# Allegro board RK3588S_Template_LP4XD200P232SD10H2_30X30_2133MHz_H1R6_V11_20220218YWQ.brd (continued)
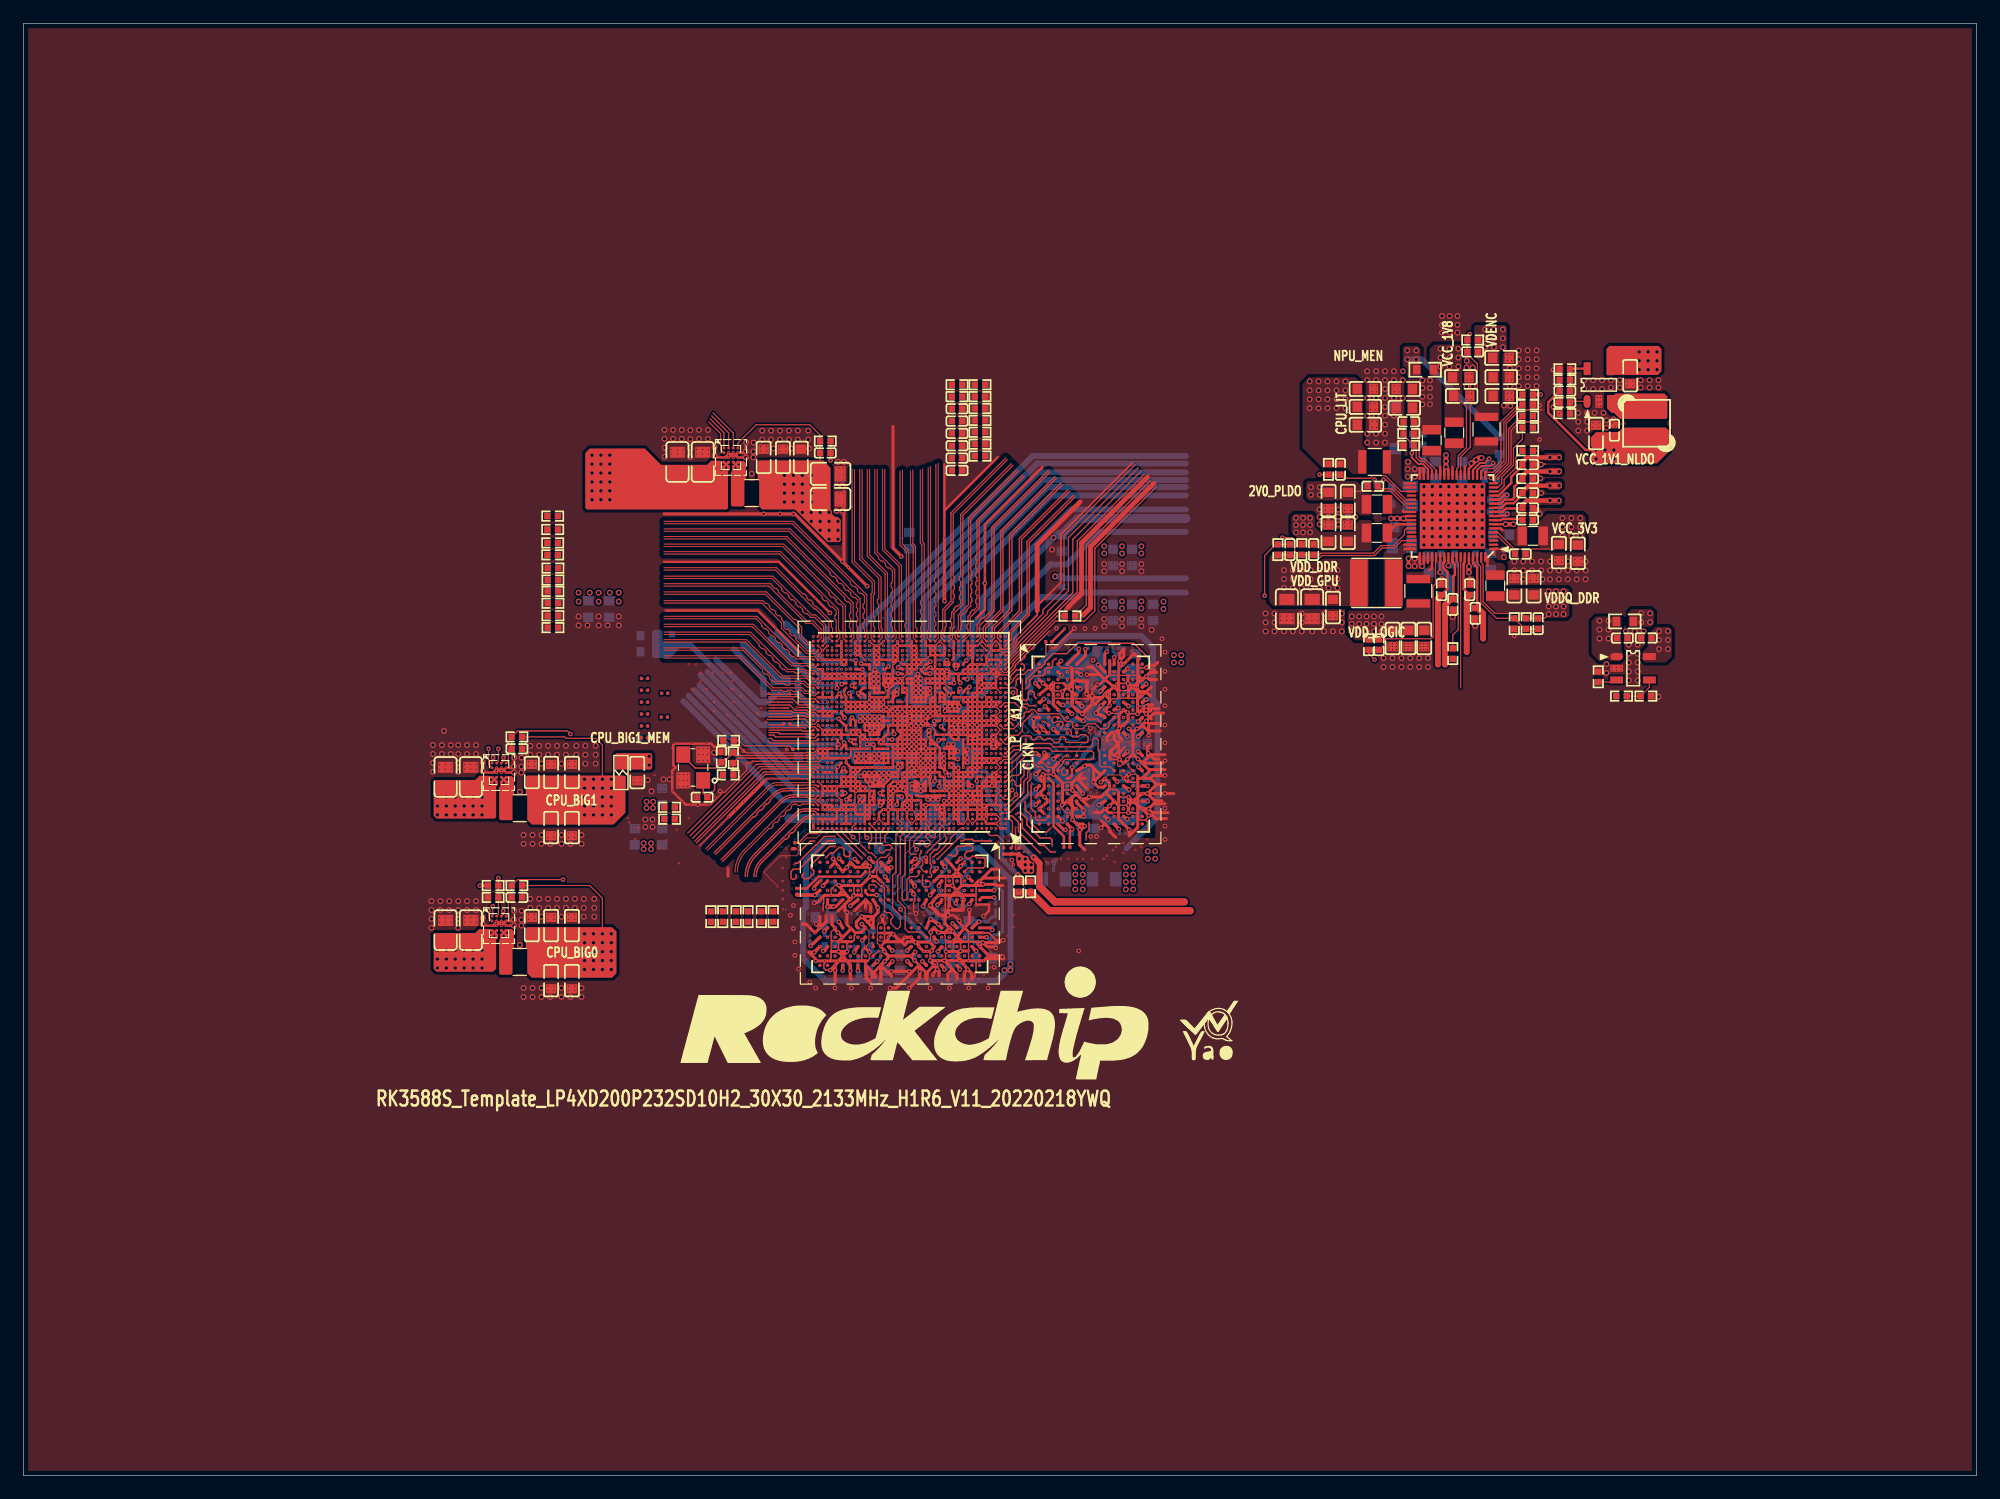
[diagram p0: board, top side]
## Routing (per net, layer and track width the routed paths; a pad name or vN(x,y) marks a point on that pad's centre or on a via; arc(x,y) is an arc through that point) (continued)
VDDA_0V75_S0: length 190
  TOP w0.203: U1000.Y26 74.16,62.9 74.17,62.89 v1(74.22,62.89) ; U1000.AM13 79.43,67.7 79.45,67.72 v1(79.5,67.72) 79.49,67.73 U1000.AN12 ; U1000.AR27 73.62,68.9 73.84,69.11 v1(73.91,69.11) ; v1(80.64,68.05) 80.64,68.05 80.59,68.1 U1000.AN10 ; v1(69.52,67.28) 69.49,67.31 69.49,67.72 U1000.AM37 ; U1000.AR33 71.66,68.9 v1(71.68,68.88) ; C2259.1 127.79,83.69 127.79,83.54 127.33,83.08 126.68,83.08 126.28,82.69 U2200.11 ; U1000.AT12 79.49,69.15 v1(79.68,68.96) 79.89,69.17 U1000.AT11 79.84,69.36 79.55,69.36 U1000.AT12
  TOP w0.381: 130.67,84.6 130.57,84.6 130.56,84.58 v5(130.43,84.58) 128.58,84.58 128.07,84.07 C2259.1
  TOP w0.508: v5(131.21,84.58) 130.56,84.58
  L3-S1 w0.203: v2(81.09,68.1) 81.09,67.9 v3(81.29,67.71)
  L5-POWER2 w0.203: v1(74.22,62.89) 74.19,62.92 71.22,62.92 70.92,63.22 69.9,63.22 69.6,62.92 68.28,62.92 67.89,63.3 66.47,63.3 66.09,62.92 60.27,62.92 60.2,62.84 v3(60.15,62.84)
  L5-POWER2 w0.381: v1(79.5,67.72) 78.88,67.72 78.78,67.82
  L5-POWER2 w0.457: 78.78,67.82 78.71,67.82 78.13,68.4 78.13,71.27 78.84,71.98 78.84,73.23 79.5,73.89
  L5-POWER2 w0.508: v5(88.01,80.14) 82.7,80.14 79.5,76.94 79.5,73.89
  L8-S3 w0.203: v3(81.29,67.71) 81.29,67.95 v4(81.38,68.05) ; v4(60.4,63.04) 60.2,62.84 v3(60.15,62.84) v4(60.15,63.3)
  L8-S3 w0.381: 71.58,70.37 72.15,69.8 72.15,69.27 71.77,68.88 v1(71.68,68.88)
  L8-S3 w0.508: 68.66,75.36 71.58,72.44 71.58,70.37
  BOTTOM w0.102: v1(79.5,67.72) 79.32,67.89 C1711.1 79.33,68.17 79.33,68.67
  BOTTOM w0.203: 68.07,67.56 68.3,67.56 C1603.1 C1602.1 69.29,67.52 69.49,67.31 69.49,67.31 v1(69.52,67.28)
  BOTTOM w0.254: C1103.1 74.24,62.87 v1(74.22,62.89) ; C1507.1 81.31,67.97 v4(81.38,68.05) 81.52,68.19 81.6,68.19
  BOTTOM w0.279: v1(79.68,68.96) 79.56,69.09 C1407.1 79.56,69.76 ; C1611.1 71.24,68.88 v1(71.68,68.88) 71.98,68.58 C1605.1
  BOTTOM w0.305: 81.68,68.27 81.6,68.19
  BOTTOM w0.381: 73.97,71.42 C1613.1 73.97,69.17 v1(73.91,69.11)
  BOTTOM w0.406: 83.18,69.47 83.18,69.34 82.11,68.27 81.68,68.27 ; v1(80.64,68.05) 81.43,68.83 81.97,68.83 82.62,69.49
  BOTTOM w0.457: 83.95,70.61 83.18,69.85 83.18,69.47 ; 82.62,69.49 82.62,70.98
  BOTTOM w0.508: 99.31,86.49 86.61,86.49 73.97,73.84 73.97,71.42 ; 83.95,70.61 83.95,74.04 87.76,77.85 89.15,77.85 91.95,80.64 99.31,80.64 ; C1718.1 88.26,80.39 v5(88.01,80.14) 82.62,74.75 82.62,70.98 ; 63.83,71.49 C1113.1 67.75,67.89 68.07,67.56 ; v4(60.4,63.04) v4(60.15,63.3) 56.83,66.61 ; 79.56,69.76 80,70.2 80,71.15 80.26,71.42 80.26,76.2 87.81,83.74 99.31,83.74
  BOTTOM w0.762: C1718.1 90.12,81.79 99.31,81.79
VDDA_0V85_S0: length 61.2
  TOP w0.102: U1000.AT18 U1000.AR19
  TOP w0.203: U1000.J36 70.02,58.5 v1(70.21,58.32) 69.99,58.1 U1000.H36 ; C2263.1 128.03,82.63 126.67,82.63 126.39,82.35 125.61,82.35 U2200.10 ; U1000.AT18 77.12,69.33 77.22,69.33 77.44,69.55 v1(77.49,69.55) ; U1000.AR19 76.69,68.8 76.99,68.5 U1000.AP18 77.11,68.51 77.44,68.51 v1(77.45,68.53)
  TOP w0.381: C2263.1 128.07,82.93 128.45,83.31 v5(130.43,83.31) v5(131.19,83.31)
  BOTTOM w0.305: C1400.1 76.96,69.21 ; C1400.1 76.96,70.08 ; C1400.1 77.26,69.55 77.29,69.55 ; 76.96,69.21 C1401.1 76.96,68.84 77.27,68.53 v1(77.45,68.53) 77.51,68.58 77.8,68.58 C1402.1 ; 76.96,69.21 77.29,69.55 ; 77.29,69.55 v1(77.49,69.55) 76.96,70.08 ; 76.96,70.08 76.96,70.1
  BOTTOM w0.381: v1(70.21,58.32) 70.15,58.26 C1801.1 C1800.1 68.61,58.26 68.58,58.29
  BOTTOM w0.508: 99.31,85.06 87.1,85.06 76.96,74.93 76.96,70.1 ; 57.33,67.11 66.15,58.29 66.92,58.29 68.58,58.29
VDDA_1V2_S0: length 12.1
  TOP w0.152: v5(121.05,77.18) 121.02,77.22 121.02,78.05 121.05,78.09 U2200.57
  L3-S1 w0.203: v2(70.69,68.9) 70.69,69.06 v3(70.51,69.24) 70.29,69.02 v2(70.29,68.9)
  L8-S3 w0.305: v3(70.51,69.24) v4(70.21,69.24)
  BOTTOM w0.254: 69.85,69.47 70.08,69.24 v4(70.21,69.24)
  BOTTOM w0.305: 68.25,69.72 68.51,69.47 C1608.1 C1607.1 69.85,69.47
  BOTTOM w0.508: 68.25,69.72 65.16,72.82 ; C2250.1 121.11,77.24 v5(121.05,77.18) 121.39,77.18 121.9,76.67 121.9,75.31
VDDA_DDR_PLL_S0: length 45
  TOP w0.203: v1(78.41,64.01) 78.41,63.98 U1000.AB14 ; U2200.12 126.2,83.04 126.55,83.39 127.2,83.39 127.38,83.57 127.38,84.5 C2258.1 ; U1000.M16 77.89,59.38 v1(77.85,59.33)
  TOP w0.381: C2258.1 128.07,85.41 128.45,85.79 v5(130.43,85.79) 130.5,85.79
  TOP w0.508: v1(86.3,52.83) 86.32,52.83 86.82,52.32 86.82,50.34 ; 130.5,85.79 v5(131.21,85.79)
  TOP w0.635: 99.19,49.02 88.14,49.02 86.82,50.34
  L8-S3 w0.152: 78.88,60.51 78.85,60.47 78.6,60.47 78.49,60.37
  L8-S3 w0.203: 78.49,60.37 77.95,59.83 77.95,59.44 v1(77.85,59.33) ; v1(78.41,64.01) 78,64.01 77.77,63.78 77.77,62.56 78.26,62.07 78.81,62.07 79.06,61.82 79.06,60.69 78.88,60.51
  BOTTOM w0.254: v1(77.85,59.33) 77.9,59.38 80.16,59.38 80.24,59.46
  BOTTOM w0.279: C1215.1 78.61,64.21 v1(78.41,64.01)
  BOTTOM w0.305: 80.24,59.46 80.97,60.19 82.15,60.19 83.26,59.08 ; C1210.1 77.77,59.26 v1(77.85,59.33)
  BOTTOM w0.406: v1(86.3,52.83) 84.1,55.03 84.1,56.87 83.26,57.71 83.26,59.08
VDDQ_DDR: length 59.5
  TOP w0.254: U3800.W5 89.99,57.51 90.58,56.92 v1(90.58,56.84) v1(90.58,56.32) U3800.AA5 ; U3801.AA5 v1(68.7,48.61) ; U3801.W5 69.41,48.61 v1(69.21,48.61) ; U3800.D1 v1(86.47,67.7) ; U3801.W1 v1(69.68,52.72) ; U3800.B3 v1(88.69,68.37) ; U3801.D1 v1(80.08,52.72) ; U3801.B3 v1(80.73,51.12) ; U3801.AA3 v1(68.31,50.4) ; U3800.W1 v1(86.5,57.33) ; v1(88.79,55.93) U3800.AA3
  TOP w0.279: U3801.B10 81.32,44.84 v1(81.41,44.82) ; U3800.D8 v1(92.03,67.02) ; v1(78.22,50.39) 78.21,50.51 U3801.F3 ; U3800.AA8 v1(92.69,56.05) ; U3801.W12 v1(70,43.15) ; U3800.B10 v1(94.35,68.94) ; U3801.D5 v1(79.65,48.89) ; v1(81.65,47.32) 81.6,47.32 U3801.B8 ; U3801.AA8 v1(68.43,46.5) ; U3800.W12 v1(96.04,57.62) ; v1(80.82,48.84) U3801.B5 ; U3801.W8 69.72,47.29 v1(69.68,47.3) ; U3800.U10 v1(94.47,58.61) ; U3800.B8 v1(91.83,69.27) ; v1(68.33,44.83) 68.46,44.86 U3801.AA10 ; U3800.F10 v1(94.42,65.75) ; U3800.W8 91.9,57.34 v1(91.89,57.3) ; U3800.D5 90.27,67.29 v1(90.3,67.22) ; U3801.D12 v1(80.01,43.25) ; U3800.F3 88.68,65.83 v1(88.81,65.84) ; U3801.F10 v1(78.13,44.77) ; U3801.U10 v1(70.99,44.72) ; v1(90.35,68.44) U3800.B5 ; U3801.D8 v1(79.4,47.16) ; U3800.AA10 v1(94.32,56.1) ; U3800.D12 v1(95.94,67.63)
  TOP w0.406: v1(69.21,48.61) v1(68.7,48.61)
  L3-S1 w0.203: v2(88.39,58.92) 88.21,59.11 v3(88.12,59.11) ; v2(71.3,50.8) 71.49,50.98 v3(71.49,51.07)
  L6-S2 w0.102: v1(95.94,67.63) 94.84,66.53 94.84,66.17 v1(94.42,65.75) ; v1(78.13,44.77) 78.55,44.35 78.91,44.35 v1(80.01,43.25)
  L8-S3 w0.254: v3(71.49,51.07) 71.49,51.15 v4(71.29,51.35) 71.15,51.48 v4(71.04,51.48) ; v3(88.12,59.11) 88.04,59.11 v4(87.85,58.91) 87.71,58.77 v4(87.71,58.66)
  BOTTOM w0.254: 93.05,56.08 92.72,56.08 v1(92.69,56.05) ; v1(94.47,58.61) 94.11,58.61 C3823.1 ; v1(68.43,46.5) 68.46,46.47 68.46,46.15 ; C3821.1 94.74,65.75 v1(94.42,65.75) ; v1(68.7,48.61) 68.7,48.09 C3849.1 69.13,47.67 69.39,47.67 69.68,47.39 v1(69.68,47.3) ; C3866.1 78.2,44.7 v1(78.13,44.77) ; v1(78.22,50.39) 78.21,50.38 78.21,49.95 78.87,49.3 79.25,49.3 v1(79.65,48.89) 79.88,48.66 80.55,48.66 80.72,48.84 v1(80.82,48.84) ; v1(86.47,67.7) 86.47,67.78 C3811.1 ; C3867.1 80.01,43.84 v1(80.01,43.25) ; v1(94.32,56.1) 94.35,56.13 94.67,56.13 ; 83.06,48.31 83.06,47.74 82.77,47.74 82.4,47.36 81.7,47.36 v1(81.65,47.32) 81.6,47.37 81.56,47.37 81.51,47.42 80.78,47.42 C3850.1 80.25,46.88 79.81,46.88 79.52,47.16 v1(79.4,47.16) ; v1(88.81,65.84) 88.82,65.83 89.24,65.83 89.9,66.49 89.9,66.87 90.25,67.22 v1(90.3,67.22) 90.3,67.28 90.53,67.5 90.53,68.17 90.35,68.34 v1(90.35,68.44) ; v1(92.03,67.02) 92.03,67.14 92.24,67.35 92.24,67.94 C3808.1 91.78,68.4 91.78,69.13 91.83,69.18 v1(91.83,69.27) ; C3809.1 95.28,68.55 C3817.1 95.88,67.7 v1(95.94,67.63) ; v1(91.89,57.3) 91.81,57.3 91.52,57.01 91.52,56.75 C3807.1 91.1,56.32 v1(90.58,56.32) ; v1(80.08,52.72) 80.1,52.7 80.77,52.7 81.03,52.45 81.03,51.84 80.16,50.97 80.16,50.48 80.57,50.48 80.74,50.32 ; 70.99,45.23 v1(70.99,44.72)
  BOTTOM w0.381: v1(68.43,46.5) 68.43,47.07 C3849.1 ; C3807.1 92.12,56.05 v1(92.69,56.05)
  vias: v5(89.87,51.99) v5(89.87,51.36) v5(89.87,50.72) v5(89.87,50.09) v5(90.51,51.99) v5(90.51,51.36) v5(90.51,50.72) v5(90.51,50.09)
VDDQ_DDR_CK_S0: length 12.7
  TOP w0.203: 80.69,59.29 U1000.K9 81.02,58.9 v1(81.05,58.93) 80.69,59.29 ; 80.69,59.29 U1000.L9 ; v1(75.03,58.01) 74.94,58.01 74.85,58.1 U1000.H24
  BOTTOM w0.254: v1(81.05,58.93) 80.95,58.93 80.18,58.16 C1216.1 80.08,58.01 80.08,57.21 78.82,55.96 78.45,55.96 77.41,54.92 76.15,54.92 R3821.2 75.06,56.02 75.06,57.18 75.08,57.2 75.08,57.96 v1(75.03,58.01)
  BOTTOM w0.305: C1213.1 74.88,57.86 v1(75.03,58.01)
VDDQ_DDR_CKE_S3: length 14.4
  TOP w0.203: v1(74.63,57.35) 74.69,57.42 U1000.G24 ; U1000.M6 U1000.M7 81.46,59.67 v1(81.46,59.33)
  BOTTOM w0.254: v1(81.46,59.33) 81.48,59.31 81.48,58.47 C1211.1 81.84,58.12 81.84,57.73 81.58,57.48 80.85,57.48 80.06,56.69 R3820.2 79.52,56.15 78.97,55.6 78.6,55.6 77.56,54.57 75.46,54.57 74.97,55.06 74.97,55.46 74.37,56.06 74.37,57.18 C1212.1 74.49,57.35 v1(74.63,57.35)
VDDQ_DDR_S0: length 59.4
  TOP w0.102: U1000.H15 78.29,57.9 v1(78.16,57.76) ; v5(130.32,73.6) 129.96,73.24 C2229.1 R2236.1 127.97,73.67 125.72,73.67 124.71,74.68 124.71,77.85 124.55,78.01 U2200.67
  TOP w0.203: U1000.H18 77.22,57.97 77.22,57.8 v1(77.27,57.76) v1(77.7,57.76) ; U1000.H18 77.03,58.04 76.5,58.04 76.44,58.1 U1000.H20 ; U1000.H18 U1000.H16 ; 80.63,61.99 80.42,61.79 80.29,61.79 ; 80.63,61.99 v1(80.66,62.03) 80.62,62.08 80.34,62.08 80.32,62.1 U1000.V10 ; 80.63,61.99 80.63,61.36 v1(80.64,61.34) ; U1000.V10 80.29,62.48 ; U1000.V10 80.29,61.79 ; U1000.V10 80.29,62.48 ; 80.29,62.48 U1000.Y10 ; 80.29,62.48 U1000.W10 ; 78.1,57.76 v1(78.16,57.76) 78.16,57.95 78.29,58.09 U1000.H15 ; 78.1,57.76 v1(77.7,57.76) ; 78.1,57.76 77.89,57.96 U1000.H16 ; U1000.T10 80.29,61.79 ; U1000.T10 80.51,61.3 80.55,61.34 v1(80.64,61.34) ; U1000.T10 U1000.R10 ; R1200.2 88.98,72.36 v2(88.98,72.4) ; v2(80.29,60.5) U1000.R10 ; U1000.R10 80.51,60.9 80.52,60.91 80.6,60.91 80.63,60.93 v1(80.64,60.93) v1(80.64,61.34) ; U1000.H15 U1000.H14 ; U1000.H15 U1000.H16 ; v1(77.7,57.76) 77.7,57.91 U1000.H16
  TOP w0.254: v2(65.66,53.52) 65.71,53.57 R1203.2 ; R1202.2 R1201.2 C1252.1 v5(85.09,52.71)
  L2-GND1 w0.127: v2(80.29,60.5) 80.64,60.85 v1(80.64,60.93)
  L2-GND1 w0.305: v1(78.16,57.76) v1(77.7,57.76) v1(77.27,57.76) ; v1(80.64,61.34) v1(80.64,60.93)
  L3-S1 w0.203: v3(89.28,72.39) 89.15,72.39 89.15,72.39 88.98,72.39 v2(88.98,72.4)
  L3-S1 w0.254: v3(80.67,60.53) 80.64,60.5 v2(80.29,60.5) ; v2(65.66,53.52) 65.66,53.35 v3(65.53,53.22)
  L3-S1 w0.305: 80.64,60.85 v2(80.29,60.5) ; 80.64,60.85 80.64,60.55 v3(80.67,60.53) ; 80.64,60.85 v1(80.64,60.93) v1(80.64,61.34) ; v1(77.27,57.76) v1(77.7,57.76) v1(78.16,57.76)
  L5-POWER2 w0.152: 76.07,55.37 75.74,55.04 72.72,55.04 72.52,54.84 72.52,54.41 71.83,53.72 68.07,53.72 67.69,53.34 65.65,53.34 v3(65.53,53.22) ; v3(89.28,72.39) 89.28,70.36 88.9,69.98 88.42,69.98 87.4,68.96 86.98,68.96 86.09,68.07 86.09,66.18 85.16,65.25 85.16,64.65 85.01,64.49 85.01,64.05 84.46,63.5 84.46,63 84.33,62.87
  L8-S3 w0.254: v3(80.67,60.53) 80.67,60.55 v4(80.95,60.83)
  L8-S3 w0.305: v1(78.16,57.76) v1(77.7,57.76) v1(77.27,57.76) ; v3(80.67,60.53) 80.64,60.55 v1(80.64,60.93) v1(80.64,61.34) 80.64,62.01 v1(80.66,62.03) 80.95,61.75 v4(80.95,60.83)
  L9-GND3 w0.305: v4(80.95,60.83) 80.75,60.83 v1(80.64,60.93) v1(80.64,61.34) ; v1(78.16,57.76) v1(77.7,57.76) v1(77.27,57.76)
  vias: v5(85.6,52.69) v5(85.59,52.19) v5(85.59,51.68) v5(86.1,52.19) v5(86.1,51.68) v5(130.32,75.56) v5(130.32,74.91) v5(130.32,74.26) v5(130.94,75.56) v5(130.94,74.91) v5(130.94,74.26) v5(130.94,73.6) v5(131.59,75.56) v5(131.59,74.91) v5(131.59,74.26) v5(131.59,73.6)
ALPS_INT_L: length 13.3
  TOP w0.102: 57.17,54.45 63.11,60.38 67.61,60.38 U1000.N41
BIG/NPU_EN: length 19
  TOP w0.102: 58.8,90.55 60.25,89.1 U2302.A2
  TOP w0.104: U2301.A2 40.58,61.01 v1(40.58,62.1) ; v1(40.58,51.05) R2302.2 R2303.1 40.58,47.93 U2300.A2
  L8-S3 w0.102: v1(40.58,51.05) v1(40.58,62.1)
BQ_OTG_EN_H: length 17.9
  L3-S1 w0.076: v2(77.09,70.1) 77.59,70.6 77.59,71.86 77.15,72.3 77.15,72.8
  L3-S1 w0.102: 76.53,87.09 76.53,83.38 77.27,82.65 77.27,77.98 76.91,77.63 76.91,73.61 77.15,73.37 77.15,72.8
BT_REG_ON_H: length 13.5
  L3-S1 w0.076: 66.22,67.78 66.76,67.23 66.84,67.23 67.15,66.93 68.35,66.93 68.69,67.27 v2(68.69,67.3)
  L3-S1 w0.102: 57.36,71.77 62.23,71.77 66.22,67.78
BT_WAKE_HOST_H: length 14
  L3-S1 w0.076: 66.24,65.8 66.72,65.33 68.72,65.33 v2(69.09,65.7)
  L3-S1 w0.102: 66.24,65.8 66.16,65.88 66.1,65.88 61.64,70.35 57.36,70.35
CC_INT0_L: length 13.9
  L3-S1 w0.076: v2(69.09,67.3) 69.09,67.39 69.31,67.61 69.31,67.79 68.9,68.2 67.22,68.2 66.7,68.73 66.7,68.74 66.21,69.23
  L3-S1 w0.102: 58.05,72.8 62.64,72.8 66.21,69.23
CHRG_OK_H: length 13
  L3-S1 w0.076: v2(68.69,67.7) 68.49,67.9 66.97,67.9 66.21,68.66
  L3-S1 w0.102: 66.21,68.66 62.48,72.39 57.64,72.39
DDR_CH0_A0_A: length 9.4
  TOP w0.107: U1000.U1 83.9,61.7 84.56,62.36 85.34,62.36 85.66,62.67 v2(85.66,62.97)
  L3-S1 w0.064: v2(85.66,62.97) 85.51,62.97 v3(85.38,63.09) ; v3(87.88,64.59) 87.75,64.73 v2(87.59,64.72)
  L8-S3 w0.064: v3(87.88,64.59) 87.88,64.39 88.35,63.92 88.35,63.16 88.29,63.09 88.06,63.09 87.99,63.16 87.99,63.31 87.93,63.37 87.8,63.37 87.74,63.31 87.74,63.16 87.68,63.09 87.55,63.09 87.49,63.16 87.49,63.31 87.42,63.37 87.29,63.37 87.23,63.31 87.23,63.16 87.17,63.09 87.04,63.09 86.98,63.16 86.98,63.31 86.91,63.37 86.79,63.37 86.72,63.31 86.72,63.16 86.66,63.09 86.53,63.09 86.47,63.16 86.47,63.31 86.41,63.37 86.28,63.37 86.22,63.31 86.22,63.16 86.15,63.09 v3(85.38,63.09)
DDR_CH0_A0_B: length 9.4
  TOP w0.107: U3800.R2 87.35,60.22 87.01,60.56 86.66,60.56 86.11,61.12 v2(86.11,61.56) ; v2(85.08,62.01) 84.62,62.01 84.02,61.41 83.78,61.41 U1000.U2
  L3-S1 w0.064: v3(86.23,61.27) 86.11,61.4 v2(86.11,61.56) ; v2(85.08,62.01) 85.15,61.95 v3(85.4,61.95)
  L8-S3 w0.064: v3(85.4,61.95) 84.01,61.95 83.95,61.88 83.95,61.66 84.01,61.59 84.96,61.59 85.22,61.34 85.22,61.22 85.45,60.99 85.76,60.99 86.04,61.27 v3(86.23,61.27)
DDR_CH0_A1_A: length 8.8
  TOP w0.107: U1000.AC2 83.78,63.81 84.61,63.81 85.06,64.26 v2(85.09,64.26) ; U3800.J2 87.28,64.44 87.05,64.44 v2(87.05,64.44)
  L3-S1 w0.064: v2(85.09,64.26) 85.29,64.26 85.36,64.33 v3(85.39,64.33) ; v3(86.82,64.62) 86.87,64.62 v2(87.05,64.44)
  L8-S3 w0.064: v3(85.39,64.33) 85.36,64.33 85.29,64.26 84.65,64.26 84.58,64.2 84.58,63.75 84.84,63.5 85.03,63.5 85.09,63.56 85.09,63.82 85.15,63.88 85.28,63.88 85.35,63.82 85.35,63.56 85.41,63.5 85.54,63.5 85.6,63.56 85.6,63.82 85.66,63.88 85.79,63.88 85.85,63.82 85.85,63.56 85.92,63.5 86.04,63.5 86.11,63.56 86.11,63.87 86.82,64.58 v3(86.82,64.62)
DDR_CH0_A1_B: length 12.2
  TOP w0.107: U1000.R2 83.78,61.19 84.3,61.19 v2(84.84,61.72)
  L3-S1 w0.064: v2(84.84,61.72) 85.09,61.72 85.18,61.64 85.55,61.64 85.64,61.73 85.83,61.73 85.89,61.66 85.89,61.47 85.9,61.46 85.9,61.14 86.07,60.96 86.8,60.96 86.82,60.94 86.82,60.94 86.88,60.88 87.22,60.88 87.37,61.04 87.37,61.13 87.26,61.24 87.26,61.36 87.33,61.43 87.42,61.43 87.53,61.32 87.62,61.32 87.71,61.41 87.71,61.5 87.6,61.61 87.6,61.7 87.71,61.8 87.83,61.8 87.89,61.74 87.89,61.65 87.95,61.59 88.08,61.59 88.14,61.65 88.14,61.72 88.02,61.84 88.02,61.93 88.09,62 88.85,62 88.86,62 89.17,62 89.26,61.92 89.26,61.57 89.2,61.51 89.11,61.51 89.05,61.58 89.05,61.66 88.98,61.72 88.88,61.72 88.81,61.66 88.81,61.62 88.75,61.55 88.62,61.55 88.56,61.62 88.56,61.66 88.5,61.72 88.4,61.72 88.34,61.66 88.34,61.34 88.4,61.28 88.54,61.28 88.6,61.21 88.6,61.1 88.54,61.03 88.27,61.03 88.14,60.9 v2(87.57,60.9)
DDR_CH0_A2_A: length 12.7
  TOP w0.107: U1000.AF1 84.05,65.46 84.16,65.46 84.26,65.36 84.26,65.13 84.37,65.02 84.52,65.02 84.63,65.13 84.63,65.28 84.76,65.4 84.96,65.4 85.14,65.23 85.14,64.85 85.22,64.76 85.4,64.76 85.52,64.89 85.52,65.13 85.64,65.25 85.92,65.25 86.12,65.45 86.32,65.45 86.69,65.09 88.58,65.09 88.88,64.79 88.88,64.65 89.09,64.44 89.54,64.44 89.66,64.32 89.66,63.98 89.83,63.81 90.48,63.81 90.91,64.24 91.59,64.24 92.02,63.81 92.55,63.81 92.75,64.01 92.75,64.33 U3800.H9
DDR_CH0_A2_B: length 13
  TOP w0.107: U3800.R9 92.85,60.56 92.07,60.56 91.95,60.68 91.95,61.85 91.83,61.97 91.83,62.87 91.7,62.99 91.46,62.99 91.34,62.87 91.34,62.39 91.22,62.27 88,62.27 87.72,62.55 86.15,62.55 84.49,60.9 U1000.R1
DDR_CH0_A3_A: length 12.6
  TOP w0.107: U1000.AL2 84.72,67.3 84.9,67.12 84.9,66.36 85.34,65.91 85.8,65.91 85.92,65.79 86.49,65.79 v2(86.49,65.79)
  L3-S1 w0.064: v2(94,64.77) 93.62,65.15 93.32,65.15 93,65.47 91.88,65.47 91.73,65.63 91.12,65.63 90.62,66.13 90.37,66.13 90.28,66.03 89.48,66.03 88.94,65.49 87.59,65.49 87.5,65.41 87.17,65.41 86.92,65.66 86.61,65.66 v2(86.49,65.79)
DDR_CH0_A3_B: length 13.3
  TOP w0.107: U1000.D2 83.6,56.61 84.25,56.61 85.8,58.17 85.8,59.26 86.08,59.54 v2(86.08,59.99) ; v2(93.73,60.14) 93.81,60.22 U3800.R10
  L3-S1 w0.064: v2(93.73,60.14) 93.67,60.08 93.36,60.08 93.06,59.78 88.65,59.78 88.19,60.24 86.63,60.24 86.63,60.24 86.37,60.24 86.12,59.99 v2(86.08,59.99)
DDR_CH0_A4_A: length 13.1
  TOP w0.107: U1000.Y1 83.9,62.9 84.24,63.25 84.96,63.25 85.34,63.63 85.34,64.26 86.23,65.14 v2(86.23,65.19)
  L3-S1 w0.064: v2(94.77,64.79) 94.44,64.46 93.84,64.46 93.49,64.8 91.28,64.8 90.64,65.44 90.14,65.44 89.92,65.66 89.41,65.66 89.03,65.28 87.68,65.28 87.59,65.19 v2(86.23,65.19)
DDR_CH0_A4_B: length 14.1
  TOP w0.107: v2(94.36,60.71) 94.49,60.58 94.49,60.53 U3800.R11 ; U1000.E1 84,56.9 85.47,58.37 85.47,59.31 85.8,59.64 85.8,60.15 86.16,60.5 v2(86.36,60.5)
  L3-S1 w0.064: v2(94.36,60.71) 94.22,60.84 93.78,60.84 92.94,59.99 88.74,59.99 88.26,60.47 87.77,60.47 87.75,60.45 86.69,60.45 86.69,60.45 86.41,60.45 v2(86.36,60.5)
DDR_CH0_A5_A: length 12.8
  TOP w0.107: v2(85.72,65.49) 85.56,65.66 85.09,65.66 84.71,66.04 83.83,66.04 U1000.AG2
  L3-S1 w0.064: v2(94.79,64.12) 94.68,64.24 93.75,64.24 93.4,64.59 90.99,64.59 90.78,64.79 90.34,64.79 89.71,65.42 89.48,65.42 89.12,65.06 87.84,65.06 87.76,64.98 85.92,64.98 85.85,65.04 85.85,65.37 v2(85.72,65.49)
DDR_CH0_A5_B: length 13.3
  TOP w0.107: v2(85.57,60.86) 85.22,60.51 85.22,60.07 84.96,59.82 84.45,59.82 83.94,59.3 U1000.L1
  L3-S1 w0.064: v2(94.74,60.87) 94.74,60.85 94.61,60.72 94.61,60.63 93.84,59.86 93.45,59.86 93.15,59.56 86.42,59.56 86.21,59.77 85.99,59.77 85.52,60.25 85.52,60.8 v2(85.57,60.86)
DDR_CH0_CLKN_A: length 14.1
  L3-S1 w0.066: v2(93.19,64.12) 92.98,64.12 92.91,64.06 92.91,63.31 92.97,63.25 93.12,63.25 93.33,63.04 93.33,62.36 93.2,62.23 93.2,61.88 92.85,61.53 92,61.53 91.78,61.76 91.78,62.05 91.87,62.14 91.87,62.29 91.81,62.36 91.33,62.36 91.16,62.53 91.16,63 91.09,63.07 90.68,63.07 90.6,62.99 89.89,62.99 89.78,63.1 89.51,63.1 89.41,62.99 88.77,62.99 88.7,63.07 86.94,63.07 86.84,62.96 86.64,62.96 86.54,63.07 86.31,63.07 85.88,63.5 85.82,63.5 v2(85.81,63.51) 85.77,63.55 85.06,63.55 85.05,63.54 85.05,63.54 84.92,63.41 84.92,63.41 84.91,63.4 83.99,63.4 v2(83.89,63.3)
DDR_CH0_CLKN_B: length 10.7
  L3-S1 w0.066: v2(83.89,62.1) 83.81,62.18 83.81,62.27 83.96,62.42 84.07,62.42 84.13,62.36 84.46,62.36 84.51,62.42 89.89,62.42 91.82,60.48 92.63,60.48 92.84,60.69 92.84,60.76 92.94,60.87 93.14,60.87 v2(93.14,60.87)
DDR_CH0_CLKP_A: length 14.2
  L3-S1 w0.066: v2(83.49,63.3) 83.59,63.3 83.86,63.57 84.78,63.57 v2(84.84,63.63) 84.94,63.73 85.9,63.73 86.38,63.24 86.87,63.24 86.87,63.24 88.77,63.24 88.84,63.16 89.34,63.16 89.44,63.27 89.86,63.27 89.96,63.16 90.53,63.16 90.61,63.24 91.16,63.24 91.33,63.07 91.33,62.6 91.4,62.53 91.88,62.53 92.04,62.37 92.04,62.07 91.95,61.98 91.95,61.83 92.07,61.71 92.78,61.71 93.02,61.96 93.02,62.3 93.15,62.44 93.15,62.97 93.05,63.08 92.9,63.08 92.74,63.23 92.74,63.91 92.53,64.12 v2(92.39,64.12)
DDR_CH0_CLKP_B: length 10.6
  L3-S1 w0.066: v2(92.44,60.87) 92.56,60.87 92.63,60.8 92.63,60.73 92.56,60.66 91.89,60.66 89.96,62.59 84.44,62.59 84.38,62.53 84.2,62.53 84.15,62.59 83.88,62.59 83.64,62.34 83.64,62.22 v2(83.51,62.1)
DDR_CH0_DM0_A: length 12.5
  L3-S1 w0.076: v2(88.39,68.08) 88.41,68.05 88.79,68.05 89.31,67.53 90.13,67.53 90.25,67.66 90.37,67.66 90.68,67.35 90.68,67.1 90.4,66.82 89.43,66.82 89.03,67.23 89.03,67.32 88.63,67.72 87.99,67.72 87.77,67.5 87.57,67.5 87.51,67.44 87.51,67.26 87.43,67.19 87.25,67.19 87.08,67.36 86.67,67.36 86.29,66.98 86.29,66.42 85.22,65.35 85.22,64.98 85.07,64.83 84.96,64.83 84.8,64.99 84.53,64.99 84.38,64.83 84.27,64.83 84.11,64.99 83.98,64.99 v2(83.89,64.9)
DDR_CH0_DM0_B: length 12.8
  L3-S1 w0.076: v3(86.99,57.28) 86.99,57.15 87.57,56.57 88.19,56.57 88.44,56.82 v2(88.44,56.96) ; v2(82.29,62.1) v3(82.6,62.1)
  L8-S3 w0.076: v3(82.6,62.1) 82.17,61.67 82.17,61.24 82.34,61.07 82.34,58.87 82.9,58.3 83.07,58.3 83.19,58.43 83.31,58.43 83.42,58.32 83.42,58.2 83.29,58.08 83.29,57.97 83.4,57.86 83.51,57.86 83.64,57.98 83.75,57.98 83.86,57.87 83.86,57.76 83.74,57.63 83.74,57.52 83.85,57.41 83.96,57.41 84.09,57.54 84.2,57.54 84.31,57.42 84.31,57.31 84.18,57.19 84.18,57.08 84.26,57 86.72,57 v3(86.99,57.28)
DDR_CH0_DM1_A: length 15
  L3-S1 w0.076: v2(94.02,68.05) v3(93.73,68.34) ; v3(91.69,70.87) 91.31,70.87 90.9,71.28 87.53,71.28 85.24,68.98 85.24,68.65 84.02,67.44 83.34,67.44 83.13,67.22 83.02,67.22 v2(82.69,66.9)
  L8-S3 w0.076: v3(91.69,70.87) 91.82,70.74 91.82,70.13 93.61,68.34 v3(93.73,68.34)
DDR_CH0_DM1_B: length 14.6
  TOP w0.127: v2(84.84,56.5) 84.84,56.52 84.96,56.64 85.22,56.64 85.72,56.13 85.72,55.63 86.87,54.48 87.73,54.48 87.88,54.33 v2(87.88,53.84)
  L3-S1 w0.076: v2(93.99,56.97) 93.71,56.69 93.71,55.8 91.75,53.84 v2(87.88,53.84) ; v2(83.49,57.7) 83.68,57.7 84.84,56.54 v2(84.84,56.5)
DDR_CH0_DQ0_A: length 6.6
  L3-S1 w0.076: v3(86.82,68.1) 87.39,68.67 v2(87.56,68.67) ; v2(83.49,66.5) 83.56,66.56 v3(83.56,66.93)
  L8-S3 w0.076: v3(86.82,68.1) 86.7,68.1 86.7,68.1 86.32,68.1 86.13,67.92 86.13,67.71 86.06,67.63 85.9,67.63 85.82,67.71 85.82,67.94 85.74,68.02 85.65,68.02 85.33,67.69 84.8,67.69 84.73,67.61 84.73,67.39 84.65,67.31 84.49,67.31 84.41,67.39 84.41,67.61 84.33,67.69 83.82,67.69 83.56,67.43 v3(83.56,66.93)
DDR_CH0_DQ0_B: length 11.4
  TOP w0.127: v2(86.15,59.07) 86.11,59.03 86.11,57.02 86.46,56.66 86.46,56.15 86.62,56 87.27,56 U3800.AA2
  L3-S1 w0.076: v2(83.07,61.7) 83.36,61.42 84.38,61.42 85.15,60.64 85.15,59.92 v3(85.27,59.8) ; v2(86.15,59.07) 86.06,58.99 v3(85.86,58.99)
  L8-S3 w0.076: v3(85.86,58.99) 85.94,58.9 85.94,58.62 85.73,58.4 85.47,58.4 85.3,58.57 85.3,58.68 85.39,58.77 85.39,58.88 85.28,58.99 85.17,58.99 85.08,58.9 84.97,58.9 84.87,59 84.87,59.38 84.95,59.46 85.2,59.46 85.27,59.54 v3(85.27,59.8)
DDR_CH0_DQ1_A: length 12.3
  L3-S1 w0.076: v2(82.69,63.7) 82.7,63.7 83.43,64.43 v3(83.49,64.43) ; v3(88.01,68.58) 87.57,68.14 v2(87.57,68.05)
  L8-S3 w0.076: v3(83.49,64.43) v4(83.49,64.77) 83.49,64.89 83.88,65.28 84.58,65.28 85.18,64.68 85.68,64.68 86.07,65.07 87.3,65.07 87.63,65.41 88.92,65.41 89.32,65.8 89.32,66.77 89.15,66.93 89.15,67.44 v3(88.01,68.58)
DDR_CH0_DQ1_B: length 14.1
  L3-S1 w0.076: v2(87.59,56.97) 87.51,56.97 87.39,57.09 87.39,57.21 87.62,57.43 87.62,57.57 87.54,57.65 87.12,57.65 86.84,57.93 86.66,57.93 86.18,58.41 86.18,58.76 86.46,59.05 86.46,59.21 86.07,59.6 85.92,59.6 85.35,60.17 85.35,61 85.27,61.08 85.1,61.08 84.96,61.22 84.96,61.38 84.87,61.47 84.63,61.47 84.47,61.62 83.46,61.62 83.01,62.08 83.01,62.19 83.22,62.41 83.22,62.9 83.03,63.09 82.76,63.09 82.55,62.88 82.55,62.55 82.47,62.47 82.36,62.47 82.06,62.18 81.95,62.18 81.88,62.25 81.88,62.35 82.09,62.56 82.09,62.66 82.03,62.73 81.93,62.73 81.73,62.53 81.64,62.53 81.54,62.63 81.54,62.74 81.66,62.87 81.66,62.99 81.75,63.08 82.07,63.08 v2(82.29,63.3)
DDR_CH0_DQ2_A: length 8.9
  TOP w0.127: v2(86.53,66.42) 86.51,66.42 86.36,66.57 86.36,66.89 86.19,67.06 85.98,67.06 85.85,66.93 85.85,66.36 85.72,66.24 85.5,66.24 85.34,66.39 85.34,67.96 85.19,68.11 84.98,68.11 84.82,67.96 v2(84.82,67.57)
  L3-S1 w0.076: v2(87.55,66.72) 87.48,66.8 87.48,66.85 87.4,66.93 87.26,66.93 87.18,66.85 87.18,66.74 87.13,66.68 87.04,66.68 86.71,66.35 86.6,66.35 v2(86.53,66.42) ; v2(83.89,66.5) 83.97,66.42 84.55,66.42 84.9,66.77 84.9,67.14 84.82,67.22 84.6,67.22 84.53,67.28 84.53,67.38 84.61,67.46 84.76,67.46 84.82,67.53 v2(84.82,67.57)
DDR_CH0_DQ2_B: length 9.7
  L3-S1 w0.076: v3(84.18,60.19) 83.98,60.19 v2(83.89,60.1) ; v3(86.83,58.26) 86.87,58.29 87.55,58.29 v2(87.57,58.27)
  L8-S3 w0.076: v3(84.18,60.19) 84.06,60.07 83.52,60.07 83.44,59.99 83.44,59.82 83.52,59.74 84.01,59.74 84.09,59.66 84.09,59.5 84.01,59.42 83.52,59.42 83.44,59.34 83.44,59.22 83.52,59.14 83.85,59.14 83.93,59.06 83.93,58.9 83.85,58.82 83.56,58.82 83.48,58.74 83.48,58.63 84.84,57.28 85.79,57.28 85.86,57.36 85.86,57.82 86.21,58.17 86.74,58.17 v3(86.83,58.26)
DDR_CH0_DQ3_A: length 10.6
  L3-S1 w0.076: v2(83.09,63.7) 83.42,64.02 83.82,64.02 83.93,64.14 84.26,64.14 84.47,64.35 84.87,64.35 v3(85.54,65.02) ; v2(87.59,66.07) 87.56,66.04 86.94,66.04 86.89,65.99 v3(86.83,65.99)
  L8-S3 w0.076: v3(85.54,65.02) 85.34,65.22 85.34,65.42 85.27,65.5 84.91,65.5 84.84,65.58 84.84,65.74 84.91,65.82 85.27,65.82 85.34,65.9 85.34,66.05 85.27,66.13 85.04,66.13 84.96,66.21 84.96,66.37 85.04,66.45 85.27,66.45 85.34,66.53 85.34,67.04 85.42,67.12 85.84,67.12 85.91,67.04 85.91,66.63 85.99,66.55 86.15,66.55 86.23,66.63 86.23,67.04 86.31,67.12 86.41,67.12 86.49,67.04 86.49,66.34 v3(86.83,65.99)